# Allegro board A733_PRO3_AXP318_LPDDR5_FBGA315BALL_32X1_V2_0.brd (continued)
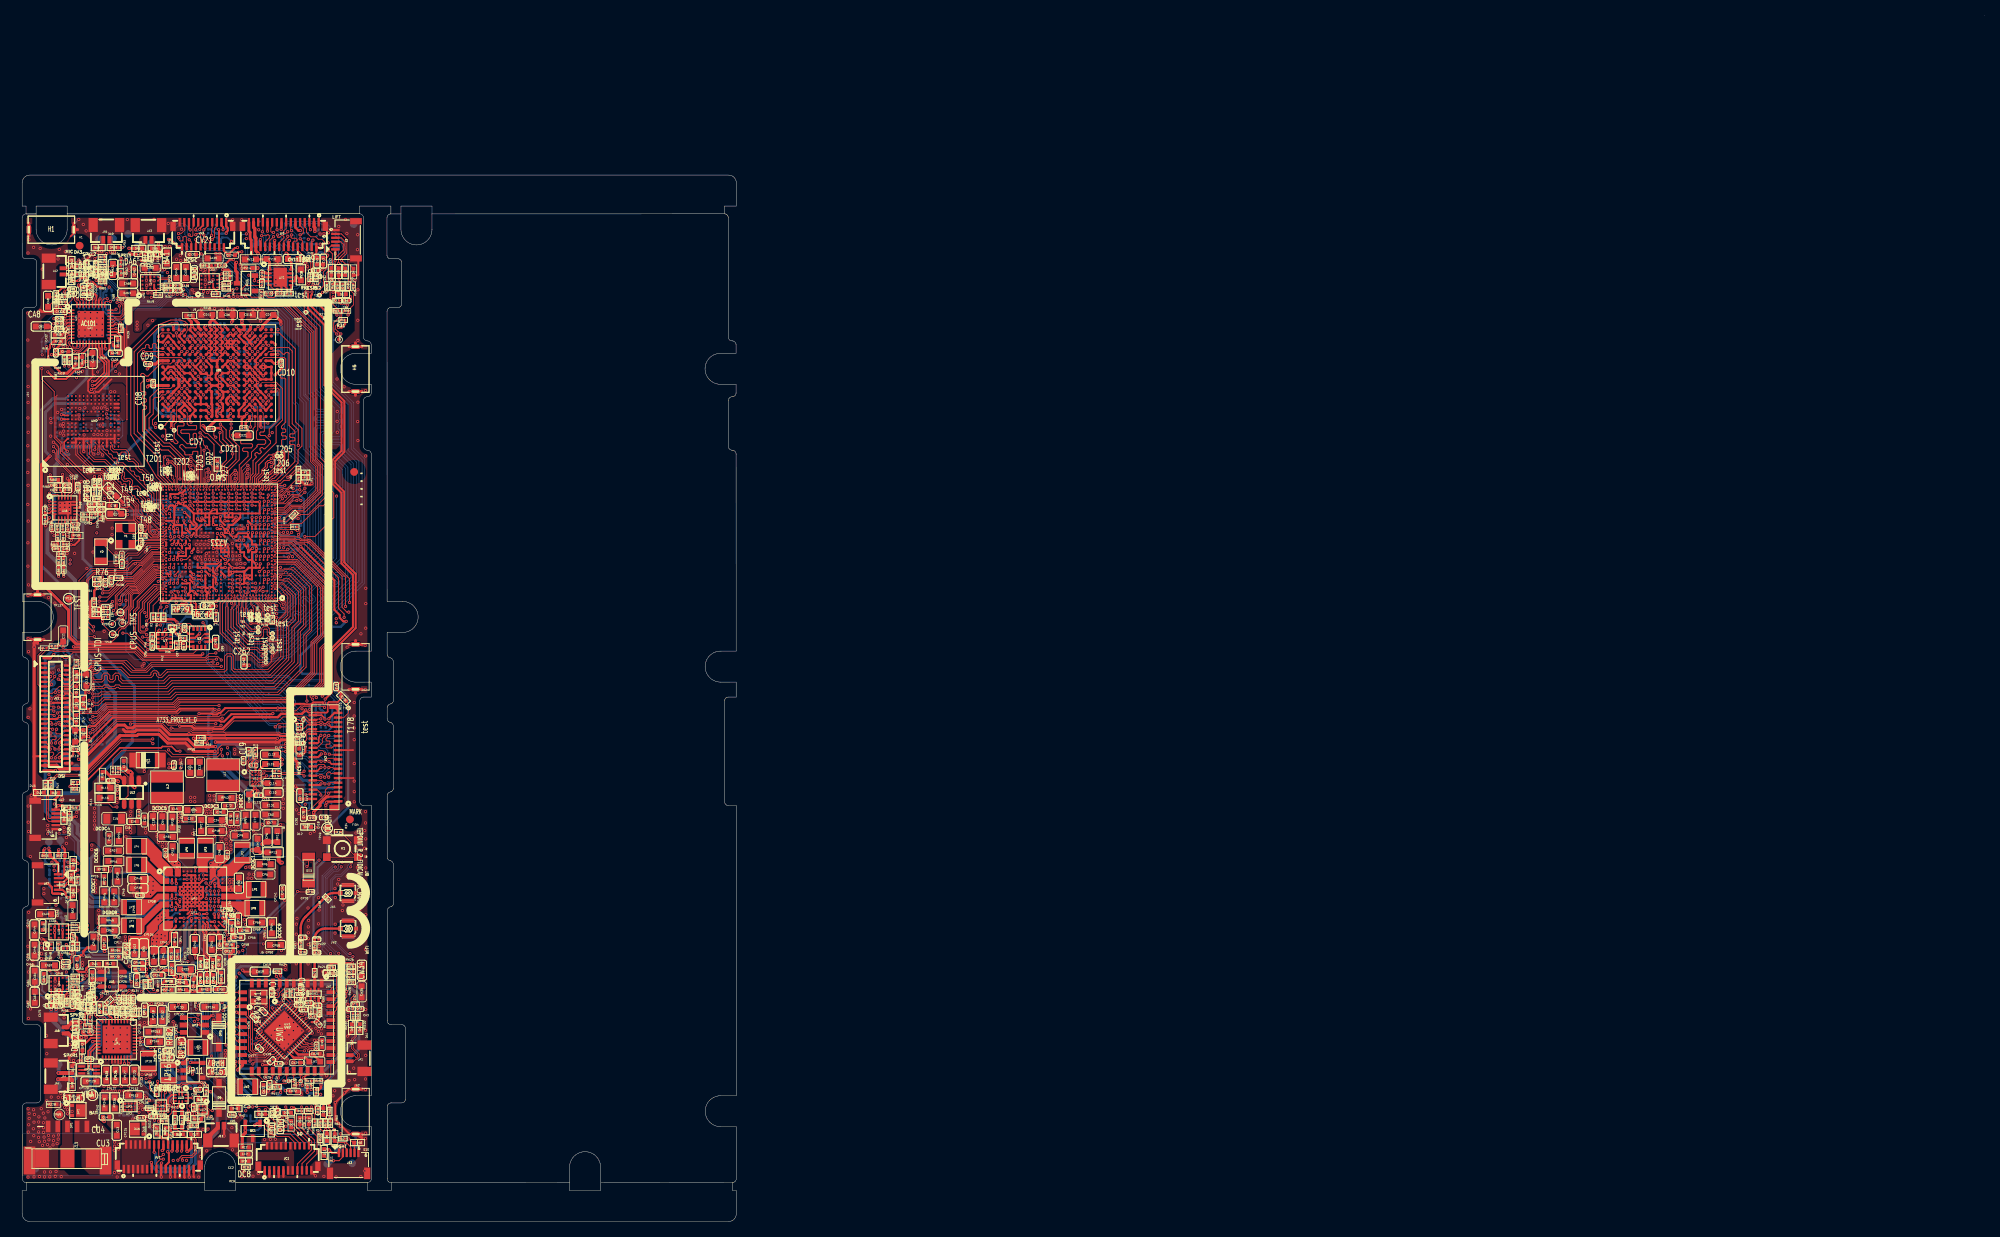
[diagram p0: board, top side]
## Routing (per net, layer and track width the routed paths; a pad name or vN(x,y) marks a point on that pad's centre or on a via; arc(x,y) is an arc through that point) (continued)
N20949065: length 0.7
  TOP w0.305: CA95.2 9.96,94.43 RA67.1
N20949067: length 0.7
  TOP w0.305: CA98.2 9.31,94.47 RA68.1
N20949263: length 2.1
  TOP w0.203: RA64.1 CA90.1 3.05,91.38 3.52,91.38 3.81,91.66 UA6.4
N20949310: length 1.1
  TOP w0.203: UA6.8 5.51,90.18 CA100.1
N20957595: length 8.1
  TOP w0.102: R34.1 42.39,48.92 42.39,47.69 43.07,47.01 ; 43.07,47.01 K1.2 ; 43.07,47.01 K1.1
N20960276: length 2.4
  TOP w0.508: J11.1 25.24,12.14 23.94,10.84 J11.3
N20968451: length 2.9
  TOP w0.114: CA48.1 6.45,33.44 6.45,34.05 6.85,34.44 6.85,34.96 RA41.1
N20968463: length 2.1
  TOP w0.114: CA50.1 6.23,33.83 6.23,34.14 6.63,34.53 6.63,34.83 6.46,35 RA45.1
N20968465: length 2.5
  TOP w0.203: RA41.2 7.12,36.61 6.78,36.96 6.54,36.96 CA52.2 6.39,37.11 UA3.E2
N20968467: length 1.6
  TOP w0.203: RA45.2 6.54,35.82 CA52.1 6.39,36.61 6.3,36.61 6.3,36.61 UA3.E1
N20968881: length 2.6
  TOP w0.114: RA42.1 26.87,121 v1(26.93,121.07)
  BOTTOM w0.102: v1(26.93,121.07) 26.92,121.05 26.92,120.58 26.06,119.72 CA47.1
N20968890: length 2.6
  TOP w0.114: RA46.1 26.9,120.36 v1(27.13,120.13)
  BOTTOM w0.102: CA49.1 25.81,119.11 26.76,120.06 26.83,120.06 26.89,120.13 v1(27.13,120.13)
N20968892: length 1.4
  TOP w0.102: RA42.2 25.59,121 v1(25.58,121.01) UA2.E2
  BOTTOM w0.114: CA51.2 25.62,120.97 v1(25.58,121.01)
N20968894: length 1.5
  TOP w0.102: RA46.2 25.67,120.36 v1(25.61,120.42) 25.52,120.51 UA2.E1
  BOTTOM w0.114: CA51.1 25.66,120.47 v1(25.61,120.42)
N20973990:
  vias: v1(13.27,122.46) v1(13.29,122.04) v1(16.21,119.82) v1(16.73,119.82)
N20973992:
  vias: v1(15.08,119.77) v1(15.59,119.77)
N20974080: length 0.7
  TOP w0.102: RA53.1 19.1,120.76 CA70.1
N20974082: length 0.7
  TOP w0.102: CA72.1 19.09,120.13 RA57.1
N20974084: length 1.8
  TOP w0.102: UA5.E2 v1(18,120.88) 18.11,120.77 RA53.2
  BOTTOM w0.114: CA74.2 18.43,121.37 18,120.94 v1(18,120.88)
N20974086: length 1.9
  TOP w0.102: UA5.E1 17.98,120.38 v1(18,120.36) 18.35,120.36 RA57.2
  BOTTOM w0.114: v1(18,120.36) 18.51,120.86 CA74.1
N20979571: length 0.8
  TOP w0.102: RA51.1 7.14,28.32 CA69.1
N20979573: length 0.8
  TOP w0.102: CA71.1 6.54,28.34 6.54,29.03 RA55.1
N20979585: length 2.2
  TOP w0.102: CA73.2 7.07,30.3 6.83,30.54 6.07,30.54 5.97,30.44 UA4.E2
  TOP w0.114: RA51.2 7.14,30.16 CA73.2
N20979587: length 1.6
  TOP w0.102: 6.02,30.12 5.85,29.94 UA4.E1
  TOP w0.114: 6.02,30.12 6.14,30.23 CA73.1 6.57,29.68 RA55.2
N21635434: length 3.9
  TOP w0.203: v1(5.82,99.38) 5.42,99.78 5.42,100.56 5.86,101 UM2.A3
  BOTTOM w0.381: 6.01,98.94 5.82,99.13 v1(5.82,99.38) 5.38,98.94 ; 6.01,98.94 CM60.1 ; 6.01,98.94 5.38,98.94 ; 5.38,98.94 CM37.1
N21635440: length 1.8
  TOP w0.203: UM2.A8 5.4,103.5 5.37,103.52 v1(5.07,103.52)
  BOTTOM w0.381: CM39.1 5.45,103.52 v1(5.07,103.52) 4.79,103.52 CM61.1
N21637919: length 2.1
  TOP w0.203: UM2.A9 5.46,104 5.36,104.1 v1(5.05,104.1)
  BOTTOM w0.381: v1(5.05,104.1) 5.25,104.29 CM59.1 6.17,104.29 CM35.1
N21687669: length 3.1
  TOP w0.114: U1.1N3 30.62,87.73 30.74,87.84 30.74,87.92 v1(30.75,87.93)
  BOTTOM w0.114: v1(30.75,87.93) 30.75,87.72 31.27,87.2 31.84,87.2 32.4,86.64 RW1.1
N21811243: length 1.6
  TOP w0.254: v1(25.09,84.05) 25.09,84.29 25.62,84.82 U1.1H13
  BOTTOM w0.254: R73.2 24.95,84.05 v1(25.09,84.05)
N21811309: length 1.9
  TOP w0.254: U1.1G15 24.62,84.22 24.63,84.22 24.63,83.88 24.62,83.87 U1.1F15 24.96,83.51 v1(25.12,83.51)
  BOTTOM w0.254: v1(25.12,83.51) 25.12,82.86 R75.2
N21811321: length 5.7
  TOP w0.254: v1(25.09,82.27) 25.09,82.29 24.96,82.42 24.96,83.01 U1.1E15 ; v1(25.03,78.82) 24.98,78.77 R74.2
  BOTTOM w0.203: v1(25.03,78.82) 24.66,79.18 24.66,81.53 25.09,81.96 v1(25.09,82.27)
N21845215: length 1.8
  TOP w0.254: UP2.C1 13.11,14.41 13.07,14.36 12.99,14.36 v1(12.91,14.29)
  BOTTOM w0.254: RP237.1 13.74,13.7 RP225.2 13.06,14.14 v1(12.91,14.29)
N21860339: length 2.7
  TOP w0.102: UP4.29 10.78,26.25 10.65,26.38 9.97,26.38 9.52,26.82 9.52,27.19 RP5.1
N21860373: length 1.5
  TOP w0.102: UP4.31 9.79,25.57 9.51,25.85 RP243.1
N21860402: length 3.4
  TOP w0.114: UP4.30 10.06,25.88 9.31,26.63 9.31,26.88 8.81,27.37 8.81,27.48 CP116.2 8.56,27.48 RP244.1
N21860436: length 0.8
  TOP w0.254: RP245.2 7.71,21.57 7.77,21.64 DP2.1
N21860438: length 2.3
  TOP w0.203: UP4.35 9.68,23.69
  TOP w0.254: DP2.2 8.13,22.96 8.86,23.69 9.68,23.69
N21860493: length 4.8
  TOP w0.203: UP4.37 9.58,22.89 9.57,22.89 9.4,22.89 8.51,21.99 8.51,21.05 CP121.1 8.4,20.77 8.48,20.68 8.48,19.82 8.23,19.56 RP246.5
N21860568: length 4.2
  TOP w0.203: UP4.38 9.47,22.49 8.81,21.84 8.81,21.03 CP121.2 8.86,20.91 8.86,19.72 9.02,19.56 RP246.2
N21860645: length 1.1
  TOP w0.102: UP4.8 13.18,20.42 v1(13.2,20.4)
  BOTTOM w0.102: RP247.1 13.2,20.76 v1(13.2,20.4)
N21860647: length 1.4
  TOP w0.102: v1(13.75,20.41) 13.58,20.58 UP4.9
  BOTTOM w0.102: RP248.1 14.08,20.6 13.89,20.41 v1(13.75,20.41)
N21860731: length 1.1
  BOTTOM w0.254: v1(15.4,21.81) 15.54,21.96 15.54,22.29 CP125.1
  BOTTOM w0.305: v1(15.4,21.81) 15.68,21.53 CP130.2
N21860751: length 1.4
  TOP w0.203: v1(15.53,23.19) 15.23,23.19 15.13,23.29 UP4.15
  BOTTOM w0.254: v1(15.53,23.19) 15.53,22.8 CP125.2
N21860763: length 1.8
  TOP w0.203: 15.07,23.69 UP4.16
  TOP w0.254: 15.07,23.69 15.1,23.72 v1(15.43,23.72)
  BOTTOM w0.254: CP124.2 15.52,23.81 v1(15.43,23.72)
N21860949: length 1.3
  TOP w0.112: RP251.2 13.13,26.44 13.13,26.26 13.18,26.22 UP4.23
N21860967: length 1.2
  TOP w0.112: RP252.2 13.02,26.83 13.02,26.67 12.89,26.54 12.89,26.26 12.78,26.15 UP4.24
N21861035: length 0.6
  BOTTOM w0.305: RP250.1 16.18,22.02 CP130.1
N21864670: length 3.8
  TOP w0.114: UP3.4 20.89,26.33 22.42,26.33 v1(22.66,26.09)
  BOTTOM w0.114: RP254.1 21.78,26.79 RP258.1 21.96,26.79 v1(22.66,26.09)
N21864720: length 2.7
  TOP w0.305: v1(24.62,26.55) 24.35,26.55 24.09,26.3 UP3.3
  BOTTOM w0.305: RP255.2 25.23,26.14 24.82,26.55 v1(24.62,26.55) 24.64,26.57 RP256.1
N21864746: length 1.7
  TOP w0.114: UP3.6 20.14,24.4 v1(19.75,24.79)
  BOTTOM w0.305: RP257.1 19.4,24.6 19.59,24.79 v1(19.75,24.79)
N21916865: length 5.8
  TOP w0.254: UP1.M10 23.78,39.67 v1(23.82,39.71)
  TOP w0.381: RP36.2 26.08,35.95 v1(26.08,36.49)
  L4 w0.305: v1(23.82,39.71) 23.95,39.71 24.34,39.33 24.34,38.49 24.61,38.21 24.78,38.21 25.83,37.17 25.83,36.74 v1(26.08,36.49)
N21947424: length 1.6
  TOP w0.229: UA2.D2 UA2.D1 25.23,119.91 RA40.2
N21947486: length 2
  TOP w0.254: RA89.2 24.06,123.05 24.06,122.08 UA2.C4 UA2.C3
N21949056:
  vias: v1(17.15,124.26) v1(17.67,124.26) v1(23.9,119.84) v1(24.33,120.12)
N21949059:
  vias: v1(15.36,124) v1(15.87,123.81) v1(21.92,120.2) v1(22.18,119.84)
N21952975: length 1.4
  TOP w0.254: UA5.D2 UA5.D1 17.27,120.13 RA49.2
N21953002: length 1.6
  TOP w0.254: v1(16.53,122.38) 16.52,122.37 UA5.C4 UA5.C3
  BOTTOM w0.305: v1(16.53,122.38) 16.37,122.53 RA92.2
N21969075: length 0.9
  TOP w0.203: RA93.2 6.59,37.61 UA3.E3
N21969078: length 0.9
  TOP w0.203: UA3.E4 5.87,38.26 RA94.2
N21970832: length 2.8
  TOP w0.254: v1(5.2,37.63) 5.22,37.61 UA3.D2 UA3.D1
  BOTTOM w0.305: 5.2,39.1 v1(5.2,37.63)
  BOTTOM w0.381: RA95.2 5.2,39.1
N21970854: length 2
  TOP w0.203: v1(4.36,38.59) 4.4,38.59 4.72,38.28 UA3.C4 UA3.C3
  BOTTOM w0.305: RA39.2 3.8,39.15 v1(4.36,38.59)
N21972441: length 1.3
  TOP w0.203: CA67.2 CA64.1
N21973400: length 0.9
  TOP w0.114: RA96.2 5.76,30.96 UA4.E3
N21973402: length 0.9
  TOP w0.114: RA97.2 5.92,31.62 UA4.E4
N21973944: length 4.4
  TOP w0.254: v1(5.98,29.01) 6.11,28.88 6.11,28.84 6.13,28.82 6.13,28.24 5.87,27.98 RA50.2 ; v1(4.73,30.51) 4.74,30.52 UA4.C3 UA4.C4
  L4 w0.305: v1(4.73,30.51) 4.73,30.01 5.73,29.01 v1(5.98,29.01)
N21974333: length 1.5
  TOP w0.254: RA98.2 5.09,29.23 5.13,29.27 5.13,29.83 UA4.D1 UA4.D2
N21975422: length 1.1
  TOP w0.305: RA52.1 4.4,29.08 4.74,29.42 UA4.C1
N21975425: length 0.9
  TOP w0.203: RA56.1 3.75,29.94 UA4.A1
N21995924: length 2.3
  TOP w0.203: UP4.27 11.58,26.28 11.45,26.4 11.3,26.4 10.8,26.9 CP137.2
  TOP w0.305: RP249.2 10.8,27.03 CP137.2
N22008209: length 2.4
  TOP w0.102: RC1.1 34.8,89.53 32.64,89.53 U1.AD1
N22008298: length 2.4
  TOP w0.114: v1(30.12,81.74) 30.11,81.74 29.99,81.85 U1.1B5
  BOTTOM w0.102: v1(30.12,81.74) 30.71,82.32 RV1.1
N22031966: length 0.9
  TOP w0.203: UP5.A1 16.72,14.56 RP261.1
N22031968: length 1
  TOP w0.203: RP259.1 18.27,13.95 18.34,14.03 UP5.C1
N22161929: length 2.9
  TOP w0.102: JV2.4 36.58,55.12 v1(36.56,55.09)
  BOTTOM w0.102: T157.1 35.42,55.09 v1(36.56,55.09) 37.1,54.55 RV5.2
N22195541: length 3
  TOP w0.076: U1.AF2 32.18,90.39 32.76,90.39 32.86,90.29 33.05,90.29
  TOP w0.102: RA99.2 34.11,90.29 33.05,90.29
N22198094: length 5.7
  TOP w0.114: v1(19.66,88.35) 19.66,88.35 19.66,88.33 19.33,88.01 19.28,88.01 U1.1P26
  BOTTOM w0.102: R71.1 16.75,90.7 17.47,89.98 17.63,89.98 17.63,89.98 TP13.1 18.25,89.66 18.25,88.83 18.38,88.71 19.35,88.71 19.66,88.39 v1(19.66,88.35)
N22198107: length 5.3
  TOP w0.152: v1(19.14,88.35) 19.16,88.37 19.16,88.41 19.14,88.43 19.14,88.45 19.12,88.47 U1.1T26
  BOTTOM w0.102: v1(19.14,88.35) 19.07,88.41 18.02,88.41 TP12.1 17.66,88.77 17.66,89.34 16.07,90.92 R70.1
N22225464: length 2.3
  TOP w0.102: RW34.2 31.73,18.05 31.29,18.05 30.51,18.82 UW2.24
N22225494: length 9.2
  TOP w0.305: RW18.2 CW17.2 35.91,37.85 arc(36.06,38.62) 36.5,39.27 36.54,39.31 DA18.2 39.23,42 arc(39.65,42.29) 40.15,42.39 JW1.1
N22225500: length 3.4
  TOP w0.102: RW62.1 39.25,18.15 39.8,18.69 UW2.34
N22225560: length 3
  TOP w0.305: RW22.1 CW20.2 RW21.2
N22225566: length 4.7
  TOP w0.305: JW2.1 39.05,37.79 arc(38.1,37.4) 37.71,36.46 CW21.2 RW22.2
N22315372: length 3.3
  TOP w0.102: U1.A6 30.57,80.12 31.62,79.08 31.77,79.08 31.97,78.88 31.97,78.4 32.25,78.11 RV26.1
N22408790: length 1.4
  TOP w0.305: RW36.2 CW2.1 UW1.3
N22408792: length 1.8
  TOP w0.305: RW35.2 CW6.2 38.33,27.9 arc(38.31,28.13) 38.24,28.35 arc(38.22,28.43) 38.21,28.51 UW1.1
N22408809: length 4.3
  TOP w0.102: v1(36.06,26.83) 35.82,26.83 UW3.42
  BOTTOM w0.102: CW7.1 39.1,27.42 36.65,27.42 36.08,26.85 36.08,26.85 v1(36.06,26.83)
N22408824: length 3.7
  TOP w0.102: UW3.39 36.62,26.16 v1(36.62,26.24)
  BOTTOM w0.102: v1(36.62,26.24) 36.62,26.26 36.76,26.4 38.71,26.4 LW3.1
N22408895: length 1.7
  TOP w0.305: 37.36,25.73 CW5.2 arc(38.24,26.12) 38.33,26.57 RW35.1
N22408955: length 4.3
  TOP w0.203: 35.39,21.75 UW3.27
  TOP w0.305: 35.39,21.75 35.59,21.55 37.24,21.55 37.33,21.64 CW29.1 37.66,21.5 37.66,21.42 LW1.1
N22409215: length 1.1
  TOP w0.102: LW4.1 35.84,27.35 UW3.43
N22409226: length 3.9
  TOP w0.102: UW3.41 35.95,26.48 36.27,26.48 v1(36.57,26.78)
  BOTTOM w0.102: CW8.1 39.22,26.63 36.72,26.63 v1(36.57,26.78)
N22409275: length 2.4
  TOP w0.102: UW3.31 36.29,22.83 36.75,22.83 37,22.58 37.16,22.58 37.17,22.57 37.54,22.57 37.81,22.84 CW12.1
N22409321: length 3
  TOP w0.203: 34.85,21.3 UW3.25
  TOP w0.305: LW1.2 36.52,21.13 35.02,21.13 34.85,21.3
N22409347: length 1.8
  TOP w0.178: UW3.44 35.24,27.24 arc(35.37,27.45) 35.42,27.7
  TOP w0.305: LW5.2 CW30.2 35.42,27.7
N22409389: length 1.2
  TOP w0.305: CW32.2 CW31.2 LW5.1
N22422546: length 2.3
  TOP w0.102: RW60.2 35.06,28.91 35.06,27.56 34.69,27.19 UW3.45
N22422800: length 2.2
  TOP w0.102: RW61.2 34.81,28.49 34.81,27.8 UW3.46
N22729607: length 1.6
  TOP w0.203: UP4.21 13.98,26.2 14.15,26.37 14.72,26.37 CP142.1
N22729610: length 1.5
  TOP w0.203: CP143.1 14.03,26.74 13.58,26.28 UP4.22
N23139496: length 22.2
  TOP w0.114: TP137.1 6.34,80.02 6.34,75.64 7.11,74.87 11.65,74.87 12.43,75.65 12.43,76.1 12.8,76.48 13.15,76.48 13.91,77.24 13.91,78.8 14.33,79.22 14.33,80.08 17.35,83.1 17.74,83.1 18.04,82.8 U1.G37
N23173005: length 16.3
  TOP w0.114: v1(36.71,45.8) 36.93,46.01 D13.1 ; UP1.G13 24.82,42.6 v1(24.78,42.63)
  BOTTOM w0.114: v1(36.71,45.8) 35.45,47.07 29.16,47.07 28.3,46.2 25.31,43.21 25.04,43.21 24.78,42.95 v1(24.78,42.63)
N23315811: length 4.3
  TOP w0.305: v1(21.68,20.51) 21.69,20.5 23.19,20.5 UP11.5
  BOTTOM w0.305: RP298.1 21.8,20.63 v1(21.68,20.51) 21.48,20.51 21.21,20.24 RP299.2 20.99,20.03 20.99,19.29 21.06,19.22 CP152.1
N23315813: length 1.6
  BOTTOM w0.305: CP152.2 20.56,19.8 20.37,19.99 20.37,20.07 v1(20.07,20.37)
N23315851: length 2
  TOP w0.381: v1(21.29,20.94) 21.29,20.91 UP11.1
  BOTTOM w0.305: RP77.2 21.04,21.57 CP150.2 21.29,21.32 v1(21.29,20.94)
N1920231412: length 1.1
  TOP w0.254: UP1.C3 19.82,43.67 v1(19.88,43.61)
  BOTTOM w0.254: v1(19.88,43.61) 19.87,43.6 RP21.2

## Copper pours and planes (outline as drawn; the poured copper is in the pictures)
AGND on TOP: 20.55,84.01 21.19,84.01 21.27,83.93 21.27,83.5 20.82,83.06 20.14,83.06 20.05,83.15 20.05,83.39 20.46,83.79 20.46,83.92
AGND on BOTTOM: 19.94,84.57 20.35,84.57 20.38,84.54 20.38,84.19 20.62,83.95 20.62,83.53 20.79,83.36 20.79,82.99 20.46,82.66 19.8,82.66 19.76,82.7 19.76,82.99 19.97,83.21 19.97,83.54 19.82,83.69 19.82,84.46
AVCC on BOTTOM: 21.45,84.58 21.74,84.58 21.82,84.51 21.82,84.24 21.95,84.1 21.95,83.78 21.75,83.58 20.85,83.58 20.79,83.64 20.79,83.97 20.85,84.04 21.1,84.04 21.36,84.29 21.36,84.56 21.37,84.57 21.43,84.57
AVCC on L4: 21.84,84.18 21.32,83.66 21.32,83.27 20.65,82.6 18.26,82.6 17.36,81.7 17.36,79.45 18.86,77.95 20.14,77.95 20.33,77.76 20.33,77.24 20.14,77.05 18.82,77.05 16.44,79.43 16.44,82.03 18.28,83.87 19.52,83.87 20.76,85.12 20.76,85.13 21.03,85.4 21.03,86.91 21.21,87.08 24.05,87.08 25.07,86.07 25.54,86.07 26.46,85.14 26.46,84.72 26.36,84.62 25.75,84.62 25.41,84.96 25.41,85.4 25.14,85.66 24.57,85.66 23.58,86.65 21.71,86.65 21.48,86.42 21.48,86.11 21.84,85.75
AVDD on TOP: 25.06,60.84 22.35,60.84 21.27,61.92 18.87,61.92 17.93,62.86 17.66,62.86 17.66,62.68 17.63,62.64 17.63,62.61 18.73,61.51 19.43,61.51 20,60.94 20.76,60.94 21.3,60.4 24.98,60.4 25.1,60.52 25.1,60.8
AVDD on TOP: 31.84,55.98 31.15,55.98 30.62,56.51 30.44,56.51 30.37,56.44 30.37,56.07 30.73,55.71 30.73,55.33 30.56,55.17 30.56,54.82 30.93,54.46 31.86,54.46 32.09,54.69 32.09,55.73
AVEE on TOP: 29.99,58.2 29.99,59.43 30.39,59.84 30.39,60.41 30.73,60.75 31.72,60.75 31.88,60.59 31.88,59.83 31.63,59.58 30.92,59.58 30.22,58.88 30.22,58.2 30.16,58.14 30.05,58.14
AVEE on TOP: 5.4,59.33 6.54,59.33 6.62,59.24 7.67,59.24 11.82,63.4 11.83,63.4 12.13,63.7 13.11,63.7 13.49,63.33 13.49,63.17 13.36,63.03 12.37,63.03 8.06,58.72 5.54,58.72 5.32,58.94 5.32,59.24
GND on TOP: 26.29,19.64 26.29,15.62 26.03,15.36 24.99,15.36 24.76,15.59 24.76,17 24.6,17.16 24.6,18.57 25.21,19.18 25.21,19.44 25.44,19.68 26.24,19.68
GND on TOP: 20.05,22.13 20.82,22.13 20.94,22.01 20.94,20.97 20.84,20.88 20.17,20.88 20.02,21.03 20.02,22.1
GND on TOP: 17.76,22.23 16.88,22.23 16.84,22.26 16.84,22.61 16.86,22.62 17.01,22.77 17.01,23.2 17.55,23.73 18.11,23.73 18.24,23.6 18.24,22.59 18.66,22.17 18.66,20.95 18.58,20.87 17.97,20.87 17.88,20.96 17.88,22.11
GND on TOP: 13.7,44.64 14.55,44.64 15.11,44.08 15.11,41.9 15.03,41.82 13.02,41.82 12.66,42.19 11.53,42.19 11.42,42.29 11.42,44.07 11.67,44.31 13.37,44.31
GND on TOP: 31.02,10.78 33.97,10.78 34.14,10.6 34.14,9.32 34.12,9.3 30.98,9.3 30.86,9.42 30.86,10.62
GND on TOP: 38.98,106.46 39.81,106.46 40.95,105.32 40.95,100.11 40.47,99.63 38.98,99.63 38.82,99.8 38.82,106.3
GND on TOP: 15.35,13.77 16.73,13.77 16.78,13.71 16.78,12.95 17.03,12.71 17.62,12.71 17.69,12.65 17.69,11.87 17.65,11.84 17.03,11.84 16.85,11.66 16.85,11.17 16.77,11.1 15.27,11.1 15.25,11.12 15.25,13.66
GND on TOP: 24.7,74.59 26.41,74.59 28.06,72.94 29.48,72.94 30.46,71.96 31.7,71.96 31.98,72.24 31.98,72.97 32.18,73.18 32.36,73.18 32.65,73.47 32.65,74.22 32.44,74.42 32.08,74.42 31.56,74.94 31.56,75.17 31.66,75.27 31.95,75.27 32.18,75.04 32.52,75.04 32.65,75.17 32.65,76.78 32.5,76.94 29.37,76.94 29.28,77.03 29.28,77.29 29.36,77.37 31.81,77.37 32,77.18 32.79,77.18 32.98,77.37 32.98,77.84 33.88,78.74 33.88,79.79 33.75,79.92 33.56,79.92 33.22,80.26 32.52,80.26 32.44,80.34 32.44,80.47 32.5,80.52 33.38,80.52 33.49,80.42 33.79,80.42 34.11,80.1 34.11,78.3 33.22,77.41 33.22,73 31.67,71.45 30.38,71.45 29.5,72.33 27.55,72.33 27.43,72.45 27.43,73.05 26.95,73.53 25.21,73.53 24.96,73.77 24.69,73.77 24.61,73.85 24.61,74.5
GND on TOP: 32.46,124.6 33.42,124.6 33.52,124.5 33.52,123.51 33.84,123.19 34.03,123.19 34.16,123.06 34.16,120.62 34.1,120.56 32.47,120.56 32.37,120.66 32.37,124.51
GND on TOP: 8.78,31.6 9.81,31.6 9.91,31.49 10.85,31.49 10.93,31.42 10.93,30.99 10.85,30.91 9.84,30.91 9.27,30.34 8.71,30.34 8.31,29.95 8.31,28.54 8.71,28.14 8.71,27.82 8.69,27.81 8.41,27.81 8.38,27.85 8.38,27.98 7.96,28.4 7.96,28.59 7.82,28.73 7.52,28.73 7.44,28.81 7.44,30.25
GND on TOP: 22.71,12.22 24.1,12.22 24.21,12.1 24.21,11.84 23.94,11.57 23.36,11.57 23.22,11.44 23.22,9.46 23.47,9.21 23.47,8.73 23.12,8.39 22.89,8.39 22.68,8.6 22.68,8.87 22.68,8.87 22.68,10.67 22.36,10.99 22.36,11.87
GND on TOP: 25.18,16.88 26.29,16.88 27.04,16.13 30.08,16.13 30.21,16.01 30.21,15.24 30.05,15.08 28.55,15.08 28.12,15.52 27.26,15.52 26.99,15.25 24.94,15.25 24.73,15.46 24.73,17.1 24.75,17.13 24.95,17.13 25.18,16.9
GND on TOP: 21.97,124.33 23.06,124.33 23.48,124.75 24.26,124.75 24.32,124.7 24.32,123.9 24.18,123.76 23.54,123.76 23.48,123.7 23.48,123.32 23.86,122.93 23.86,121.43 23.96,121.33 24.21,121.33 24.35,121.46 24.35,121.59 24.49,121.74 24.75,121.74 24.85,121.64 24.85,121.46 24.17,120.78 23.91,120.78 23.78,120.65 23.78,120.35 23.61,120.18 23.61,119.66 23.68,119.59 24.29,119.59 24.57,119.86 24.83,119.86 24.89,119.8 24.89,119.49 24.7,119.29 23.42,119.29 23.18,119.53 23.18,120.21 23.39,120.42 23.39,122.2 22.68,122.91 22.68,123.37 22.56,123.48 21.75,123.48 21.69,123.42 21.69,122.85 21.58,122.74 19.36,122.74 19.25,122.86 19.25,124.33 19.87,124.95 20.23,124.95 20.43,125.16 20.43,126.19 20.48,126.24 20.75,126.24 20.8,126.19 20.8,125.21 20.98,125.03 21.78,125.03 21.85,124.95 21.85,124.45
GND on TOP: 32.1,50.81 32.1,50.05 31.99,49.94 31.33,49.94 30.98,49.59 30.98,49.12 30.82,48.96 29.97,48.96 29.64,49.29 29.64,51.47 29.67,51.51 31.03,51.51 31.2,51.35 31.2,51.07 31.31,50.95 31.96,50.95
GND on TOP: 21.89,35.43 22.63,35.43 22.67,35.38 22.67,34.69 22.56,34.58 22.56,33.83 22.5,33.77 22.26,33.77 22.12,33.91 22.12,34.22 21.85,34.49 21.85,35.38
GND on TOP: 3.12,51.32 3.5,51.32 3.59,51.23 3.59,50.93 3.72,50.8 4.85,50.8 4.89,50.76 4.89,50.5 4.81,50.42 3.81,50.42 3.72,50.33 3.11,50.33 3.01,50.43 3.01,51.21
GND on TOP: 10.99,56.46 11.89,56.46 12.02,56.34 12.02,55.13 12.24,54.91 12.49,54.91 12.58,54.82 12.58,53.96 12.22,53.61 11.95,53.61 11.44,54.11 10.99,54.11 10.89,54.22 10.89,56.36
GND on TOP: 20,53.66 21.62,53.66 21.7,53.58 21.7,52.7 21.38,52.39 21.38,51.41 21.33,51.36 20.02,51.36 19.91,51.47 19.91,52.83 19.84,52.89 19.84,53.5
GND on TOP: 0.55,5.51 0.54,14.79 1.89,14.79 2.6,15.09 2.89,15.8 2.89,24.9 2.6,25.61 1.88,25.91 0.54,25.91 0.54,40.03 0.53,40.05 0.54,40.08 0.56,40.11 1.1,40.41 1.34,40.98 1.33,45.99 1.13,46.67 0.53,47.06 0.53,54.92 1.11,55.28 1.33,55.91 1.33,63.91 1.1,64.55 0.53,64.9 0.53,66.25 0.54,66.27 0.55,66.28 1.09,66.58 1.33,67.15 1.33,72.16 1.12,72.84 0.53,73.23 0.53,75.49 2.02,75.49 4.53,78 2.02,80.51 0.52,80.51 0.51,117.4 0.52,117.42 1.5,117.42 2.11,117.7 2.38,118.31 2.38,123.83 2.1,124.44 1.49,124.72 0.51,124.72 0.51,129.49 1.29,129.49 1.29,128 3.8,125.49 6.31,128 6.31,129.51 28.92,129.51 28.99,129.44 28.99,128.01 28.74,127.76 26.72,127.76 26.66,127.82 26.66,128.89 26.36,129.19 26.34,129.19 26.11,129.42 20.78,129.42 20.74,129.38 20.74,129.01 20.8,128.95 20.8,127.93 20.58,127.71 19.15,127.71 18.8,127.35 10.06,127.35 9.84,127.14 9.84,125.52 9.21,124.9 9.21,124.25 8.52,123.56 4.76,123.56 4.39,123.18 4.39,120.22 4.28,120.11 3.13,120.11 2.87,119.85 2.87,117.65 2.93,117.59 3.78,117.59 4.08,117.9 4.08,118.27 4.18,118.36 4.55,118.36 4.8,118.11 4.8,117.05 4.7,116.95 3.53,116.95 3.51,116.96 3.08,116.96 2.48,116.36 2.48,115.14 2.64,114.98 4.06,114.98 4.18,115.09 4.18,115.42 4.3,115.54 4.72,115.54 4.78,115.48 4.78,114.25 4.51,113.97 3.94,113.97 3.06,113.09 3.06,110.83 4.72,109.17 6.97,109.17 8.42,110.62 8.43,110.62 8.43,110.95 8.7,111.22 9.38,111.22 9.39,111.21 9.78,111.21 10.37,110.62 12.8,110.62 13.59,109.84 13.59,101.56 13.51,101.49 13.51,100.77 15.74,97.3 18.2,94.85 18.2,88.77 17.57,88.14 16.55,88.14 15.49,89.2 15.49,89.34 15.35,89.49 15.11,89.49 14.58,88.95 13.71,88.95 13.7,88.97 13.7,90.21 13.59,90.32 11.85,90.32 11.82,90.29 11.82,88.02 11.9,87.94 12.9,87.94 12.91,87.92 12.91,86.66 12.95,86.63 14.74,86.63 14.77,86.66 14.77,87.35 14.94,87.52 15.48,87.52 15.63,87.67 16.19,87.67 16.76,87.11 16.76,85.99 14.47,83.7 9.66,83.7 8.08,82.12 8.08,77.31 9.19,76.2 10.19,76.2 10.44,76.46 10.73,76.46 11.12,76.07 11.12,75.02 10.94,74.85 6.98,74.85 6.87,74.96 4.19,74.96 1.99,72.75 1.99,57.77 2.83,56.94 2.83,51.9 3.26,51.47 3.59,51.47 3.69,51.36 3.69,51.02 3.8,50.92 4.62,50.92 5.08,51.37 5.08,51.44 5.06,51.46 5.06,52.35 5.3,52.59 6.61,52.59 7.63,53.62 11.09,53.62 11.64,53.07 11.64,51.61 11.18,51.15 11.16,51.15 10.45,50.44 10.45,49.67 10.7,49.42 11.5,49.42 11.61,49.3 11.61,47.31 11.35,47.04 10.45,47.04 10.17,47.33 10.17,47.98 9.23,48.92 8.76,48.92 8.67,48.83 8.67,44.13 8.67,44.13 8.67,42.31 9.3,41.68 9.3,37.43 9.55,37.19 9.89,37.19 10.04,37.34 10.04,37.58 10.12,37.66 10.85,37.66 10.92,37.59 10.92,36.78 11.31,36.39 11.31,36.23 10.99,35.92 10.04,35.92 9.7,36.26 8.86,36.26 8.76,36.35 8.76,37.12 8.76,38.35 7.28,39.82 7.28,42.19 7.08,42.39 5.89,42.39 5.63,42.65 5.63,42.98 6.09,43.44 7.24,43.44 7.49,43.69 7.49,46.91 6.57,47.83 5.56,47.83 4.82,48.57 2.7,48.57 2.36,48.23 2.36,46.82 2.91,46.27 2.91,44.52 3.75,43.68 3.75,32.42 4.57,31.6 4.57,29.9 5.74,28.73 5.74,23.89 6.07,23.56 6.07,23.55 6.29,23.34 7.12,23.34 7.35,23.11 7.35,21.28 6.93,20.86 6.93,20.35 6.42,19.83 5.84,19.83 5.64,19.63 5.64,18.93 6.22,18.34 6.88,18.34 6.96,18.26 6.96,16.91 6.8,16.75 6.8,13.5 6.73,13.43 6.04,13.43 5.26,14.2 5.26,15.35 5.03,15.58 3.96,15.58 3.96,15.58 3.89,15.5 3.89,14.47 3.89,14.47 3.89,13.42 4.28,13.02 4.89,13.02 4.94,12.97 4.94,10.07 4.64,9.77 4.64,6.78 4.81,6.61 5.4,6.61 6.04,5.97 11.48,5.97 11.65,6.14 11.65,11.57 11.77,11.69 12.54,11.69 12.74,11.49 12.74,6.32 12.89,6.18 12.89,6.15 12.95,6.09 22.42,6.09 22.54,6.22 22.54,8.61 23.42,9.48 24.33,9.48 24.59,9.74 24.59,10.39 25.59,11.39 25.59,12.74 25.72,12.87 26.8,12.87 27.12,13.18 27.12,13.97 27.17,14.02 27.5,14.02 27.85,13.68 28.19,13.68 28.24,13.73 28.52,13.73 28.61,13.63 28.61,13.39 28.04,12.81 28.04,9.32 28.14,9.21 28.55,9.21 28.75,9.02 28.75,6.93 29.15,6.53 29.72,6.53 29.91,6.72 29.91,7.71 30.03,7.83 30.86,7.83 30.89,7.79 30.89,6.06 30.95,6.01 37.12,6.01 37.12,7.18 37.81,7.87 38.96,7.87 39.33,7.5 42.56,7.5 43.21,8.15 43.21,10.62 42.9,10.93 41.96,10.93 40.05,12.84 40.05,15.61 39.37,16.29 39.37,17.77 38.33,18.81 38.33,21.13 38.08,21.38 38.08,21.83 37.8,22.12 37.8,22.6 37.64,22.76 35.96,22.76 35.04,21.83 35.04,21.7 34.95,21.61 34.32,21.61 34.17,21.46 33.23,21.46 29.12,25.56 29.12,29.93 29.27,30.08 33.62,30.08 33.97,30.42 33.97,31.36 34.64,32.03 34.64,33.22 34.54,33.32 34.14,33.32 34.1,33.35 33.79,33.35 33.79,33.35 30.89,33.35 30.41,32.87 30.41,31.71 30.3,31.6 28.96,31.6 28.01,32.55 27.19,32.55 27.02,32.71 27.02,34.25 27.1,34.33 28.52,34.33 28.94,34.75 28.94,35.67 28.53,36.08 28.08,36.08 27.92,36.23 27.92,36.95 28.05,37.07 28.54,37.07 28.72,37.25 28.72,37.73 28.4,38.05 27.63,38.05 27.48,38.2 27.48,38.68 27.67,38.86 28.13,38.86 28.43,39.17 29.83,39.17 30,39 30,37.45 30.36,37.1 30.36,34.49 30.52,34.33 32.48,34.33 32.88,34.73 32.88,35.06 32.89,35.07 32.89,36.75 33.43,37.29 33.43,40.28 33.31,40.41 33.31,45.68 33.54,45.92 33.97,45.92 33.97,51.27 33.72,51.52 33.24,51.52 32.82,51.1 32.29,51.1 32.13,51.26 32.13,54.38 32.41,54.66 32.41,57.12 32.46,57.17 35.78,57.17 36.43,56.52 36.43,54.24 37.05,53.63 39.45,53.63 39.71,53.89 40.67,53.89 41.64,54.86 41.64,67.73 39.84,69.53 39.84,73.48 42.91,76.55 42.91,83.68 41.5,85.09 41.5,94.1 40.37,95.23 40.37,98.11 42.11,99.86 42.11,105.37 39.85,107.63 39.85,111.91 42.87,114.93 42.87,120.26 43.17,120.56 43.17,123.22 42.73,123.65 42.17,123.65 41.9,123.91 41.9,124.66 42.07,124.82 42.07,126.83 41.19,127.7 39.79,127.7 39.72,127.63 39.72,127.49 39.53,127.3 39.39,127.3 39.17,127.52 39.17,127.7 39.14,127.74 38.71,127.74 38.48,127.98 38.48,129.36 38.62,129.51 43.49,129.51 43.49,129.36 43.49,124.82 43.5,120.56 43.5,120.26 43.5,114.11 43.79,113.4 44.5,113.11 44.5,112.52 43.01,112.52 40.5,110.01 43.01,107.51 44.5,107.51 44.5,106.92 43.79,106.62 43.5,105.91 43.5,100.01 43.79,99.3 44.5,99.01 44.51,74.1 43.02,74.1 40.51,71.59 43.02,69.09 44.51,69.09 44.51,68.17 44.02,68.17 43.31,67.88 43.01,67.16 43.01,66.77 43.01,66.48 43.01,66.04 43.01,65.67 43.02,54.16 43.31,53.45 44.02,53.16 44.52,53.16 44.52,45.79 44.52,45.68 44.52,40.41 44.52,40.28 44.52,35.12 44.52,33.62 44.52,33 44.52,32.61 44.52,32.19 44.52,26.37 44.52,25.58 44.52,25.19 44.53,22.6 44.53,21.38 44.53,20.67 44.53,16.74 43,16.74 40.52,14.22 43.02,11.72 44.53,11.72 44.53,5.59 44.43,5.54 28.05,5.56 28.05,7.07 25.81,9.5 23.1,7.61 23.03,7.19 23.03,5.51 ; 22 cut-outs
GND on TOP: 16.52,26.85 16.44,26.92 16.44,27.31 16.29,27.46 15.37,27.46 15.25,27.33 15.25,27.11 15.2,27.06 14.31,27.06 14.26,27.11 14.26,27.99 14.35,28.08 14.65,28.08 14.83,28.26 14.83,29.3 14.69,29.44 14.69,29.98 14.47,30.2 13.96,30.2 13.89,30.28 13.89,31.06 13.91,31.09 14.46,31.09 15.44,30.11 15.44,29.67 15.56,29.54 17.51,29.54 17.74,29.77 17.74,30.08 17.7,30.11 17.35,30.11 16.82,30.64 16.82,32.84 16.53,33.13 16.53,33.49 16.45,33.57 16.07,33.57 15.64,34 15.02,34 14.9,33.88 14.9,33.13 14.85,33.08 14.36,33.08 14.29,33.15 14.29,33.9 14.02,34.17 14.02,34.84 14.08,34.9 16.03,34.9 16.2,34.73 16.2,34.52 16.72,34 18.52,34 19.03,34.5 20.34,34.5 20.43,34.42 20.43,34.05 20.26,33.88 19.25,33.88 18.71,33.35 18.71,33.19 18.61,33.09 17.91,33.09 17.79,32.97 17.79,32.31 17.57,32.09 17.57,31.01 17.74,30.84 17.74,30.44 18.08,30.1 18.08,29.54 18.23,29.39 25.18,29.39 25.47,29.68 25.47,30.12 25.56,30.21 25.62,30.21 25.93,30.53 25.93,30.85 26.01,30.93 26.01,32.55 25.92,32.63 25.19,32.63 24.95,32.87 24.95,34.23 24.59,34.58 24.09,34.58 24.02,34.64 24.02,35.44 24.09,35.51 24.95,35.51 25.09,35.65 25.09,35.89 25.19,35.99 25.74,35.99 25.89,35.84 25.89,35.42 25.99,35.32 26.58,35.32 26.63,35.27 26.63,34.73 26.41,34.52 26.41,30.72 26.27,30.58 26.27,30.21 26.31,30.16 26.31,29.55 25.5,28.74 25.5,28.46 25.29,28.25 24.28,28.25 24.16,28.14 24.16,27.36 23.82,27.02 22.75,27.02 22.65,26.93 20.66,26.93 20.42,27.16 20.42,27.57 20.2,27.79 18.7,27.79 18.46,27.55 18.46,26.89 18.42,26.85
GND on TOP: 23.26,59.88 23.32,59.82 23.32,58.97 23.25,58.89 19.15,58.89 19.11,58.85 18.78,58.85 18.69,58.94 18.69,59.71 18.85,59.88
GND on TOP: 14.71,18.66 16.33,17.03 16.33,15.98 15.93,15.58 15.93,14.43 15.83,14.32 15.18,14.32 15.06,14.2 14.51,14.2 14.4,14.31 14.4,15.66 14.54,15.8 14.54,17.02 14.31,17.26 10.1,17.26 10.1,17.25 9.39,17.25 9.11,17.53 9.11,18.41 9.36,18.66
GND on TOP: 14.89,52.53 15.21,52.53 15.32,52.41 15.32,51.74 15.4,51.66 16.07,51.66 16.4,51.33 18.42,51.33 18.47,51.28 18.47,49.3 18.77,49.01 19.73,49.01 19.86,48.88 19.86,48 19.81,47.95 18.93,47.95 18.6,47.62 18.24,47.62 18.18,47.69 18.18,47.87 16.26,49.78 14.92,49.78 14.83,49.87 14.83,51.05 14.59,51.29 14.59,52.22
GND on TOP: 30.88,45.31 31,45.2 31,44.25 30.78,44.03 29.11,44.03 29.07,44 27.63,44 27.56,44.07 27.56,44.77 28.1,45.31
GND on TOP: 14.97,15.15 15.78,15.15 15.93,15 15.93,14.05 16.34,13.64 16.34,13.2 16.04,12.89 15.47,12.89 15.24,13.12 15.24,13.79 15.31,13.87 15.31,14.21 15.22,14.3 15.1,14.3 14.84,14.55 14.84,15.02
GND on TOP: 11.36,26.19 11.49,26.19 11.53,26.15 11.53,25.36 11.59,25.3 14.11,25.3 14.22,25.18 14.22,21.77 14.13,21.68 10.72,21.68 10.63,21.77 10.63,25.21 10.72,25.3 11.25,25.3 11.32,25.37 11.32,26.15
GND on TOP: 30.89,17.08 31.92,17.08 32.02,16.98 32.02,16.32 32.15,16.19 34.91,16.19 35.15,16.43 35.15,17.04 34.84,17.35 34.84,17.65 34.95,17.75 35.12,17.75 35.4,18.03 35.63,18.03 35.71,17.96 35.71,17.47 36.28,16.9 36.28,15.23 36.14,15.09 29.03,15.09 28.99,15.12 28.99,16.05 29.06,16.13 30.67,16.13 30.79,16.25 30.79,16.98
GND on TOP: 13.56,112.78 13.43,112.91 13.43,118.71 12.84,119.3 12.48,119.3 12.38,119.4 12.38,119.77 12.37,119.77 12.37,121.49 12.38,121.49 12.38,122.15 12.5,122.27 12.95,122.27 13.06,122.39 13.06,123.05 13.98,123.96 14.92,123.96 15.43,123.46 16.15,123.46 16.19,123.42 16.19,121.68 16.26,121.6 16.26,121.25 16.34,121.17 16.6,121.17 16.69,121.26 16.69,121.49 16.8,121.6 17.16,121.6 17.24,121.52 17.24,121.18 17.13,121.06 16.89,121.06 16.83,121 16.83,120.76 16.7,120.62 16.31,120.62 16.25,120.56 16.25,120.36 16.14,120.24 15.92,120.24 15.81,120.36 15.81,122.19 15.25,122.74 15.25,123.01 14.85,123.4 14.16,123.4 14,123.25 14,122.03 13.58,121.61 13.63,121.56 13.63,119.6 14.01,119.22 14.85,119.22 15.06,119.42 17.11,119.42 17.55,119.87 18.34,119.87 18.87,119.34 21.39,119.34 21.63,119.1 26.44,119.1 27.35,118.2 27.41,118.2 27.41,116.87 26.95,116.4 17.34,116.4 13.72,112.78
GND on TOP: 35.02,94.86 33.95,95.93 33.95,96.53 35.34,97.91 35.34,112.98 32.38,115.94 29.36,115.94 28.9,116.4 28.9,118.11 29.23,118.45 33.08,118.45 37.2,114.33 37.2,98.58 38.03,97.75 38.03,94.86 ; 2 cut-outs
GND on TOP: 27.24,61.28 29.17,61.28 29.36,61.1 29.36,60.77 29.28,60.69 28.9,60.69 28.71,60.5 28.71,59.59 28.66,59.54 28.43,59.54 27.94,60.03 27.23,60.03 27.11,60.15 27.11,61.16
GND on TOP: 35.31,124.59 35.99,124.59 37,123.57 37,122.9 36.49,122.4 35.43,122.4 35.22,122.6 35.22,124.48 35.31,124.57
GND on TOP: 25.8,54.02 26.37,54.02 26.47,53.92 26.47,52.03 26.6,51.9 27.97,51.9 28.07,51.8 28.07,50.48 27.85,50.25 27.83,50.25 27.81,50.23 27.81,49.45 27.71,49.35 27.26,49.35 27.13,49.22 27.13,47.61 26.93,47.41 26.28,47.41 25.84,47.85 25.13,47.85 25,47.98 25,48.64 25.34,48.98 25.34,52.15 25.41,52.22 25.66,52.22 25.71,52.27 25.71,53.91 25.8,54
GND on TOP: 21.41,20.15 21.71,20.15 21.83,20.03 21.83,19.53 21.46,19.16 19.95,19.16 19.83,19.28 19.83,19.64 19.94,19.75 20.33,19.75 20.42,19.84 21.21,19.84 21.31,19.94 21.31,20.04
GND on BOTTOM: 5.87,102.47 9.83,102.47 10.04,102.26 11.06,102.26 11.15,102.16 11.15,101.41 11.04,101.3 7.85,101.3 7.69,101.46 5.77,101.46 5.73,101.5 5.73,102.34
GND on BOTTOM: 41.42,46.91 43.06,46.91 43.33,46.63 43.33,34.41 42.85,33.93 40.9,33.93 39.18,35.65 39.18,44.67
GND on BOTTOM: 3.13,33.36 3.87,33.36 3.92,33.31 3.92,31.76 4.02,31.66 4.45,31.66 4.53,31.58 4.53,29.5 4.34,29.31 4.05,29.31 2.94,30.42 2.94,33.17
GND on BOTTOM: 6.17,42.8 6.85,42.8 7.12,43.06 7.42,43.06 7.49,43 7.49,42.46 7.21,42.18 4.34,42.18 4.16,42 4.16,41.44 3.53,40.8 3.53,39 3.4,38.87 3.08,38.87 3,38.95 3,41.07 3.33,41.4 3.33,44.25 3.41,44.34 3.95,44.34 4.3,44.69 4.85,44.69 4.89,44.65 4.89,44.08
GND on BOTTOM: 13.14,90.21 13.14,91.56 15.75,94.18 15.78,94.18 15.9,94.3 21.73,94.3 21.86,94.18 29.12,94.18 30.34,92.95 30.34,83.58 29.79,83.02 27.68,83.02 27.53,83.17 27.47,83.17 22.31,78.01 20.3,78.01 19.74,77.45 18.04,77.45 17.68,77.82 17.68,83.45 18.84,84.61 21.95,84.61 22,84.67 23.35,84.67 23.5,84.82 25.66,84.82 25.84,84.99 25.84,85.78 25.68,85.94 25.68,86.31 25.41,86.58 25.41,86.93 25.22,87.11 24.9,87.11 24.71,87.3 24.71,89 24.55,89.16 23.33,89.16 23.18,89.31 23.18,89.43 23.09,89.52 22.16,89.52 22.04,89.41 22.04,88.46 21.81,88.23 15.11,88.23 ; 5 cut-outs
GND on BOTTOM: 2.84,89.38 2.84,90.9 2.76,90.98 2.76,112.35 2.87,112.46 3.74,112.46 4.7,111.5 5.61,111.5 5.61,112.27 6.9,113.57 6.9,113.77 6.89,113.78 6.89,117.92 6.98,118.01 9.98,118.01 10.1,117.88 10.1,117.39 11.25,116.24 11.25,114.12 11.24,114.11 11.3,114.05 12.06,114.05 12.8,113.3 12.8,111.69 12.8,111.69 12.8,109.97 13.62,109.15 13.62,101.03 11.09,98.5 9.64,98.5 8,96.86 6.88,96.86 6.28,96.26 6.28,91.4 5.67,90.78 5.67,90.51 5.34,90.18 4.09,90.18 3.29,89.38 ; 1 cut-out
GND on BOTTOM: 13.95,91.41 15.58,91.41 15.66,91.34 15.66,91.05 16.9,89.8 16.9,89.48 16.84,89.42 16.4,89.42 16.29,89.54 15.78,89.54 15.77,89.52 14.16,89.52 13.86,89.81 13.86,91.33
GND on BOTTOM: 39.31,23.76 38.68,23.76 37.79,24.65 36.86,24.65 33.72,21.51 33.22,21.51 31.17,23.55 31.17,24.63 32.63,26.09 33.3,26.09 34.54,27.32 35.13,27.32 36.47,25.98 38.36,25.98 38.85,25.5 39.47,25.5 39.61,25.64 39.61,27.62 40.22,28.23 42.2,28.23 42.31,28.12 42.31,26.97 42.15,26.81 41.87,26.81 41.76,26.92 40.99,26.92 40.67,26.6 40.67,25.12
GND on BOTTOM: 10,28.97 10.13,28.84 10.75,28.84 11,28.59 11,27.64 9.47,26.11 8.49,26.11 7.92,26.68 7.92,27.31 8.84,28.24 8.84,28.94 9.34,29.44 9.92,29.44 10,29.36
GND on BOTTOM: 16.04,23.47 16.65,23.47 17.28,22.85 17.28,22.27 17.17,22.16 16.55,22.16 16.34,22.38 16.04,22.38 15.97,22.45 15.97,23.4
GND on BOTTOM: 16.34,28.92 17.89,28.92 18.18,28.63 18.18,27.82 18.02,27.66 16.1,27.66 15.95,27.81 15.95,28.52
GND on BOTTOM: 32.03,30.39 32.94,29.48 32.94,29.02 31.76,27.84 31.76,27.5 30.86,26.59 27.66,26.59 26.68,27.58 26.68,28.43 26.77,28.52 27.03,28.52 27.25,28.75 27.25,29 28.65,30.39
GND on BOTTOM: 6.85,51.07 5.56,52.36 3.98,52.36 3.29,53.06 3.29,54.94 3.43,55.08 4.95,55.08 4.97,55.11 5.34,55.11 5.79,54.66 7.11,54.66 7.38,54.39 7.38,51.32 7.12,51.07 ; 2 cut-outs
GND on BOTTOM: 17.15,51.3 15.74,51.3 15.5,51.07 15.5,50.06 15.73,49.84 16.15,49.84 17.11,48.88 17.11,47.33 20.08,44.35 20.08,42.55 21.11,41.53 21.11,40.4 21.43,40.07 23.84,40.07 24.11,39.8 24.11,39.28 24.37,39.01 24.9,39.01 24.9,39.01 25.35,39.01 26.07,38.29 26.07,37.9 26.17,37.8 26.43,37.8 26.53,37.9 26.53,37.91 27.34,37.91 27.49,37.76 27.89,37.76 28.3,37.35 29.33,37.35 29.6,37.62 29.6,38.6 29.39,38.81 29.05,38.81 28.98,38.88 28.98,39.01 29.42,39.45 31.15,39.45 32.11,40.41 32.11,44.83 31.92,45.03 29.17,45.03 28.27,44.12 28.27,43.53 28.33,43.47 28.65,43.47 28.76,43.36 28.76,41.08 28.12,40.44 27.61,40.44 26.79,41.26 23.91,41.26 23.54,41.62 23.54,43.48 21.73,45.29 19.77,45.29 18.94,46.13 18.94,49.51
GND on BOTTOM: 13.63,123.34 14.22,123.34 15.44,122.12 18.09,122.12 18.6,122.63 18.84,122.63 18.97,122.5 18.97,122.25 18.88,122.16 18.76,122.16 18.6,122.01 18.6,121.47 18.4,121.27 17.41,121.27 16.78,120.65 16.47,120.65 16.18,120.93 15.17,120.93 13.57,122.54 13.57,123.28
GND on BOTTOM: 27.35,19.46 29.67,17.13 32.74,17.13 32.89,16.98 32.89,16.19 32.58,15.89 30,15.89 26.09,19.8 26.09,21.28 25.65,21.73 25.65,23.01 25.65,23.01 25.65,23.65 25.81,23.82 26.78,23.82 27.35,23.25
GND on BOTTOM: 20.11,21.76 20.67,21.76 20.72,21.71 20.72,21.45 20.98,21.2 20.98,20.63 20.92,20.57 20.39,20.57 20.01,20.95 20.01,21.66
GND on BOTTOM: 12.64,44.65 15.26,44.65 15.35,44.56 15.35,41.83 15.24,41.72 13.09,41.72 12.39,42.42 12.39,44.41
GND on BOTTOM: 35.14,55.97 35.05,56.06 35.05,56.41 35.1,56.46 35.1,56.74 35.01,56.83 34.43,56.83 34.1,56.5 31.75,56.5 30.51,57.74 30.51,59.4 30.43,59.49 30.03,59.49 27.57,61.95 25.47,61.95 24.3,63.12 24.3,64.97 25.05,65.72 25.47,65.72 25.63,65.88 25.63,66.76 25.43,66.95 24.05,66.95 23.64,67.36 23.64,70.62 20.74,73.53 20.74,74.16 20.56,74.33 18.59,74.33 18.37,74.55 18.37,74.84 18.46,74.93 20.66,74.93 20.98,74.61 22.37,74.61 22.93,74.05 22.93,72.76 25.47,70.22 25.47,69.46 31.63,63.3 32.65,63.3 32.93,63.02 32.93,60.78 35.12,58.59 35.12,57.59 36.09,56.63 36.65,56.63 36.74,56.54 36.74,56.22 36.65,56.13 36.34,56.13 36.33,56.15 36.08,56.15 35.9,55.97
GND on BOTTOM: 3.07,39.47 3.49,39.47 3.53,39.43 3.53,38.84 4.13,38.23 4.8,38.23 4.87,38.15 4.87,37.48 4.49,37.09 4.16,37.09 3,38.25 3,39.41
GND on BOTTOM: 20.89,77.69 22.72,77.69 23.01,77.39 23.01,76.26 23.2,76.07 23.2,75.68 23.06,75.54 21.23,75.54 20.79,75.98 20.79,77.58
